# Allegro board F450_V10_220411.brd (continued)
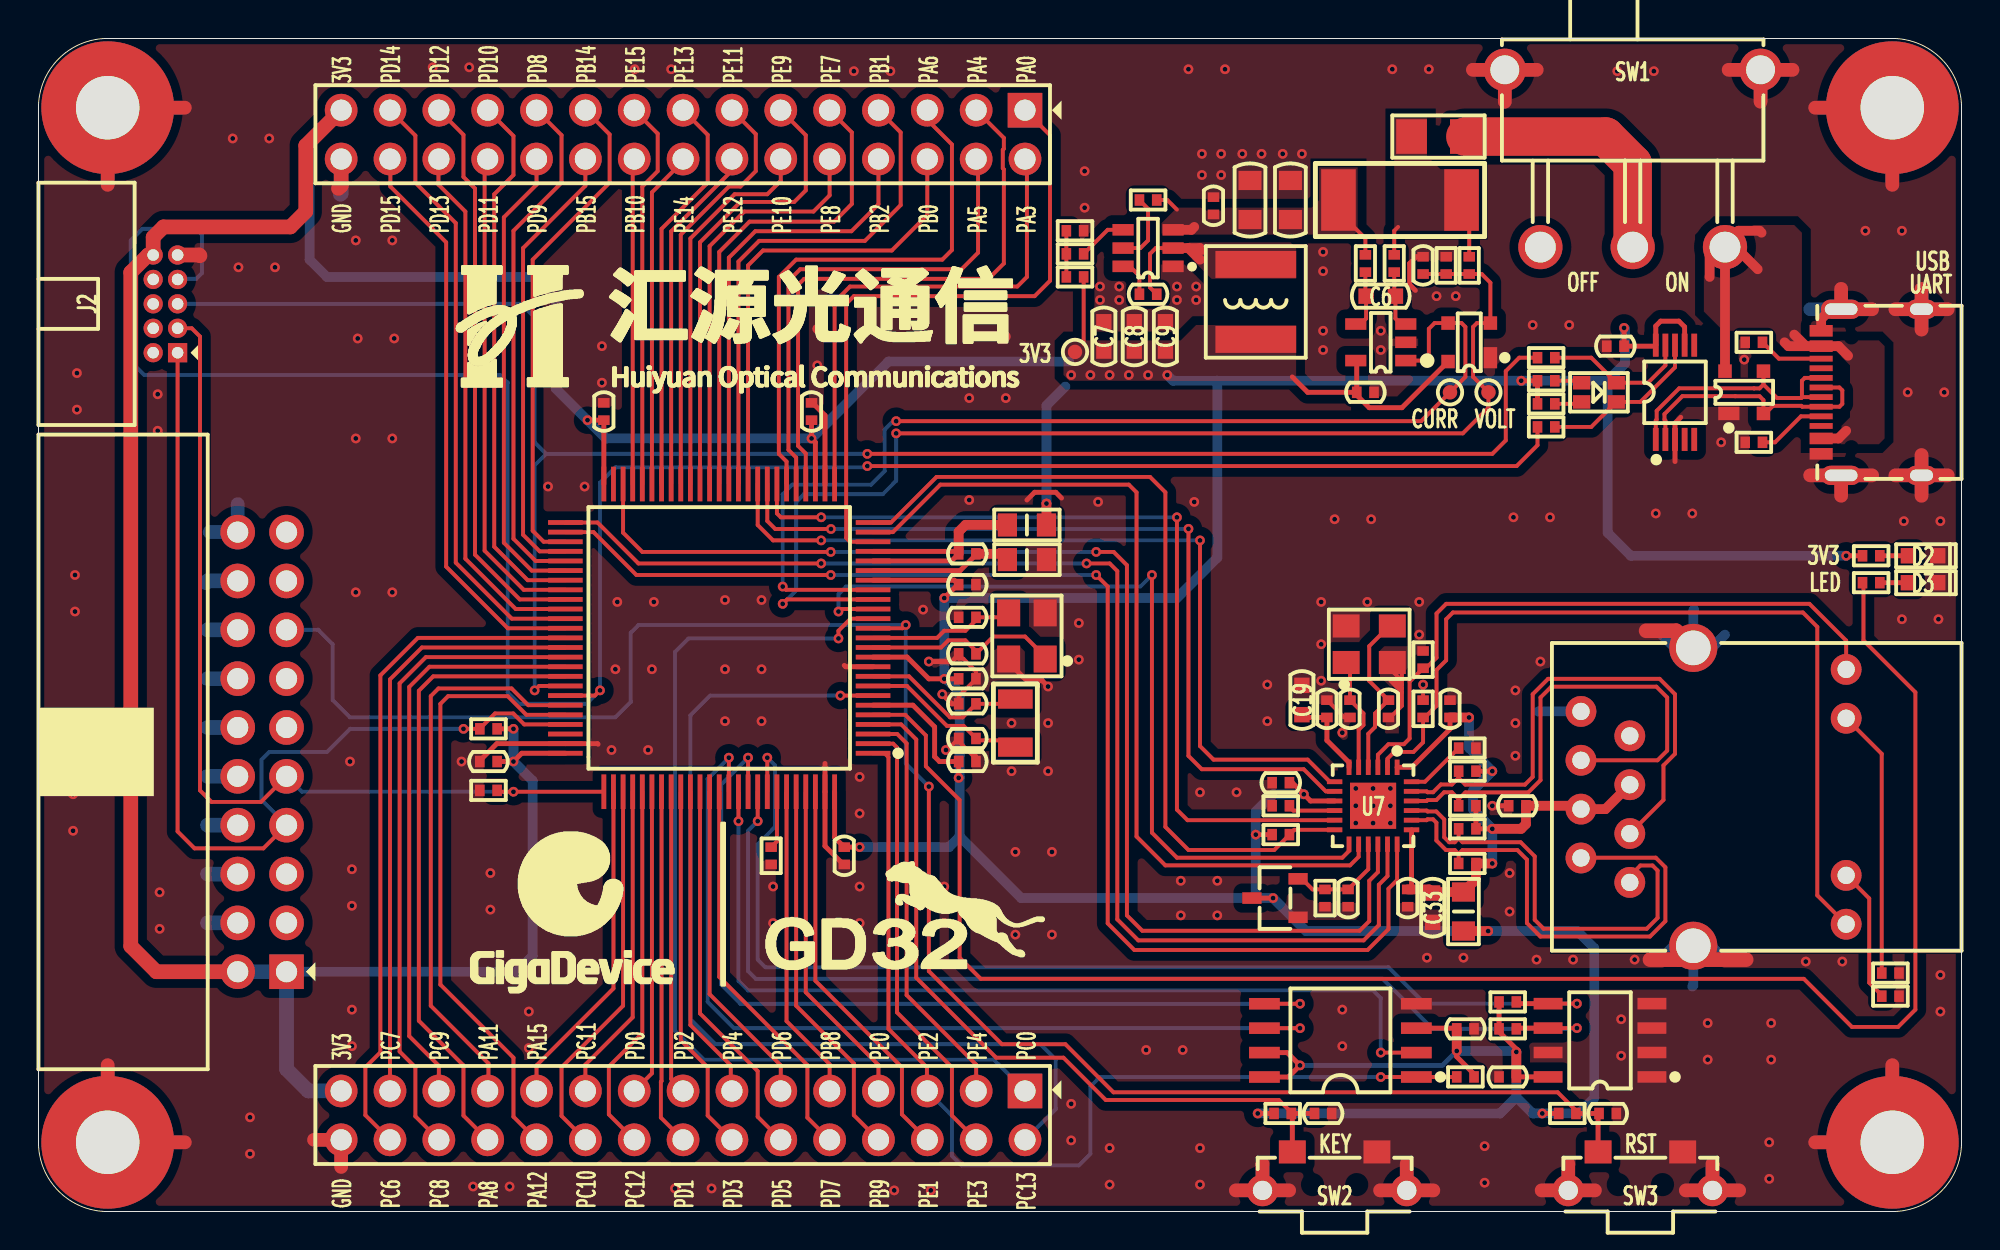
[diagram p0: board, top side]
## Routing (per net, layer and track width the routed paths; a pad name or vN(x,y) marks a point on that pad's centre or on a via; arc(x,y) is an arc through that point)
GND: length 248.9
  TOP w0.203: 70.9,27.4 70.9,27.2 ; 70.9,27.4 70.7,27.6 ; 70.9,27.4 70.9,27.6 ; 70.9,27.2 70.5,27.6 ; 70.9,27.2 70.9,27 ; 70.9,27 70.9,26.3 70.29,25.69 C23.1 ; 70.9,27 70.3,27.6 ; C20.1 47.85,26.79 48.75,27.69 C18.2 48.75,28.09 48.09,28.75 47.85,28.75 47.85,28.95 ; 70.9,27.6 70.4,28.1 X2.2 70.9,28.05 70.9,27.6 ; C21.1 67.01,26.59 67.91,25.69 C22.1 ; C27.2 48.75,23.69 48.61,23.69 47.85,24.45 C25.1 47.25,24 v1(47.19,24) ; R19.1 v1(72,27.4)
  TOP w0.254: U6.10 41.97,28.33 41.9,28.4 ; 29.1,24.3 29.07,24.33 U6.74 23.83,24.33 22.95,23.45 C26.2 ; 53.2,37.1 52.9,37.4 51.8,37.4 51.4,37 ; 40.9,23.3 U6.99 40.9,19 41.85,18.05 C30.2 ; v1(47,26.9) 47.5,26.4 C20.1 ; C4.2 71.65,49.65 71.3,49.3 71.3,48.2 71.6,47.9 ; C29.2 v1(75.6,21.1) ; C13.2 40.25,42.05 40.9,41.4 U6.27 ; v1(52.5,27.3) 52.2,27.6 51.4,27.6 50.45,28.55 X1.4 ; 85.4,41.3 85.1,41 U4.3 85.1,39 ; C17.1 47.85,28.95 47.5,28.6 v1(46.3,28.6)
  TOP w0.508: USB1.14 93.21,46.92 92.7,46.41 USB1.12
  TOP w0.711: 15.74,2.32 J5.30 14.33,3.73 ; 96.4,7.61 MH4.1 92.39,3.6 ; 92.39,57.4 MH2.1 96.4,53.39 ; SW1.5 91.21,59.37 ; SW1.5 87.89,59.37 ; SW1.5 89.55,57.71 ; 74.59,59.37 SW1.1 ; SW1.1 77.91,59.37 ; SW1.1 76.25,57.71 ; SW3.1 87.05,2.48 ; SW3.1 88.43,1.1 ; SW3.1 85.67,1.1 ; 96.56,46.92 USB1.16 ; USB1.16 99.28,46.92 ; USB1.16 97.92,45.86 ; USB1.16 97.92,47.98 ; 69.77,1.1 SW2.1 ; SW2.1 72.53,1.1 ; SW2.1 71.15,2.48 ; 3.6,53.39 MH1.1 7.61,57.4 ; USB1.15 97.92,39.34 ; USB1.15 99.28,38.28 ; USB1.15 96.56,38.28 ; USB1.15 97.92,37.22 ; SW3.4 80.93,1.1 ; SW3.4 78.17,1.1 ; SW3.4 79.55,2.48 ; USB1.13 95.35,38.28 ; USB1.13 92.13,38.28 ; USB1.13 93.74,37.22 ; 62.27,1.1 SW2.4 ; SW2.4 65.03,1.1 ; SW2.4 63.65,2.48 ; 3.6,7.61 MH3.1 7.61,3.6 ; 95.35,46.92 USB1.14 93.74,47.98
  TOP w0.762: 15.6,53.2 15.74,53.34 J1.30 ; 83.6,30.2 85.16,30.2 J4.14 ; 88.8,13.1 86.77,13.1 J4.13 85.33,13.1 83.8,13.1 ; 8.4,49.7 8.36,49.74 7.24,49.74
  BOTTOM w0.508: 84.3,13.1 85.02,13.82 J4.13 ; 84.3,30.1 85.09,29.31 J4.14 ; J4.14 87.01,29.31 87.7,30 ; J4.14 86.05,31.25 86.1,31.3 ; J4.13 86.05,11.75 86,11.7 ; J4.13 86.98,13.82 87.7,13.1 ; 78,26 78,26 J4.8
  BOTTOM w0.711: SW3.1 88.43,1.1 ; SW3.1 85.67,1.1 ; SW3.1 87.05,2.48 ; SW2.4 63.65,2.48 ; SW2.4 65.03,1.1 ; SW2.4 62.27,1.1 ; USB1.15 99.28,38.28 ; USB1.15 97.92,39.34 ; USB1.15 97.92,37.22 ; USB1.15 96.56,38.28 ; 7.61,57.4 MH1.1 3.6,53.39 ; 92.13,38.28 USB1.13 ; USB1.13 95.35,38.28 ; USB1.13 93.74,37.22 ; SW2.1 72.53,1.1 ; SW2.1 71.15,2.48 ; SW2.1 69.77,1.1 ; SW1.5 91.21,59.37 ; SW1.5 89.55,57.71 ; SW1.5 87.89,59.37 ; USB1.14 95.35,46.92 ; USB1.14 92.13,46.92 ; USB1.14 93.74,47.98 ; 96.4,7.61 MH4.1 92.39,3.6 ; 14.33,3.73 J5.30 15.74,2.32 ; SW1.1 77.91,59.37 ; SW1.1 76.25,57.71 ; SW1.1 74.59,59.37 ; 7.61,3.6 MH3.1 3.6,7.61 ; 78.17,1.1 SW3.4 ; SW3.4 80.93,1.1 ; SW3.4 79.55,2.48 ; 96.4,53.39 MH2.1 92.39,57.4 ; 8.9,35.33 J3.20 10.36,36.79 ; 97.92,45.86 USB1.16 ; USB1.16 97.92,47.98 ; USB1.16 99.28,46.92 ; USB1.16 96.56,46.92
  BOTTOM w0.762: 15.7,52.9 15.74,52.94 J1.30 ; J3.10 8.79,22.63 ; J3.12 8.79,25.17 ; 8.7,32.7 8.79,32.79 J3.18 ; J3.6 8.79,17.55 ; J3.4 8.79,15.01 ; J3.16 8.79,30.25 ; J3.8 8.79,20.09 ; J3.14 8.79,27.71
  vias: v1(1.8,21.7) v1(1.8,19.8) v1(1.9,33.1) v1(1.9,31.2) v1(2,43.6) v1(2,41.7) v1(6.2,42.5) v1(6.2,40.6) v1(6.3,16.6) v1(6.3,14.7) v1(10.1,55.8) v1(10.4,49.1) v1(11,4.9) v1(11,3) v1(12,55.8) v1(12.3,49.1) v1(16.2,23.4) v1(16.3,17.8) v1(16.3,15.9) v1(16.3,10.5) v1(16.3,8.6) v1(16.5,50.5) v1(16.5,40.2) v1(16.5,32.2) v1(16.6,45.4) v1(18.4,50.5) v1(18.4,40.2) v1(18.4,32.2) v1(18.5,45.4) v1(20.5,59.5) v1(22,23.4) v1(22.4,59.5) v1(22.6,1.3) v1(23.5,17.6) v1(23.5,15.7) v1(24.5,1.3) v1(25.5,10.4) v1(25.5,8.5) v1(26.5,37.7) v1(27.8,17.6) v1(27.8,15.7) v1(28.4,37.7) v1(29.3,45) v1(29.3,43.1) v1(29.8,24) v1(30,28.2) v1(30.1,31.7) v1(31,59.4) v1(31.7,24) v1(31.9,28.2) v1(32,31.7) v1(32.9,59.4) v1(33.1,1.2) v1(35,1.2) v1(35.7,31.8) v1(35.7,28.2) v1(35.7,25.5) v1(37.6,31.8) v1(37.6,28.2) v1(37.6,25.5) v1(38.2,16.9) v1(38.2,15) v1(40.5,45.9) v1(40.5,44) v1(42.4,59.3) v1(42.7,22.6) v1(42.7,20.7) v1(42.7,16.9) v1(42.7,15) v1(44.3,59.3) v1(44.5,1.1) v1(46,31.3) v1(46.4,1.1) v1(47.1,16.9) v1(47.1,15) v1(48.4,45.5) v1(48.4,42.3) v1(48.4,37) v1(50.3,45.5) v1(50.3,42.3) v1(50.6,25.4) v1(50.6,22.9) v1(50.8,18.7) v1(50.8,14.4) v1(52.5,25.4) v1(52.5,22.9) v1(52.7,18.7) v1(52.7,14.4) v1(53.7,5.6) v1(53.7,3.7) v1(54.1,30.6) v1(54.1,28.7) v1(54.4,54.1) v1(54.4,52.2) v1(55.1,36.9) v1(55.2,48.1) v1(55.2,47.4) v1(55.7,3.3) v1(55.7,1.4) v1(56.2,48.1) v1(56.2,47.4) v1(57.6,8.4) v1(59.2,48.1) v1(59.2,47.4) v1(59.4,17.2) v1(59.4,15.4) v1(59.5,8.4) v1(59.8,59.4) v1(60.1,36.9) v1(60.2,48.1) v1(60.2,47.4) v1(60.4,21.8) v1(60.4,3.3) v1(60.4,1.4) v1(60.5,55) v1(60.5,53.9) v1(61.3,17.2) v1(61.3,15.4) v1(61.5,55) v1(61.5,53.9) v1(61.7,59.4) v1(62.3,21.8) v1(62.6,55) v1(63.6,55) v1(63.9,27.4) v1(63.9,25.5) v1(64.7,55) v1(65.7,55) v1(66.7,31.7) v1(66.7,29.5) v1(66.7,27.6) v1(66.8,49.9) v1(66.8,48.9) v1(66.8,45.8) v1(66.8,44.8) v1(67.4,36) v1(67.8,24.9) v1(67.8,10.5) v1(67.8,8.6) v1(68.5,22) v1(68.5,21.1) v1(68.5,20.2) v1(69.1,31.7) v1(69.3,36) v1(69.4,22) v1(69.4,21.1) v1(69.4,20.2) v1(69.8,45.8) v1(69.8,44.8) v1(70.3,22) v1(70.3,21.1) v1(70.3,20.2) v1(70.4,59.4) v1(71.8,31.7) v1(71.8,30) v1(72.2,13.2) v1(72.3,59.4) v1(72.7,47.6) v1(73.7,47.6) v1(74.1,13.2) v1(75.2,3.4) v1(75.2,1.5) v1(76.5,17.6) v1(76.5,15.6) v1(76.7,36.1) v1(76.8,27.1) v1(76.8,25.4) v1(76.8,23.7) v1(77.7,46.1) v1(77.9,13.1) v1(78.1,28.6) v1(78.6,36.1) v1(79.6,46.1) v1(79.8,13.1) v1(82.1,59.3) v1(82.3,10) v1(82.3,8.1) v1(83,13.1) v1(84,59.3) v1(84.1,36.3) v1(86,36.3) v1(86.8,9.8) v1(86.8,7.9) v1(87.5,40) v1(88.7,44.3) v1(90,3.6) v1(90,1.7) v1(90.1,9.8) v1(90.1,7.9) v1(91.9,13) v1(93.8,13) v1(95,51) v1(96.9,51) v1(96.9,30.8) v1(97,35.9) v1(97.2,42.6) v1(98.8,30.8) v1(98.9,35.9) v1(98.9,12.3) v1(98.9,10.4) v1(99.1,42.6)
VCC_3.3V: length 411.8
  TOP w0.203: R9.1 54.35,45.1
  TOP w0.254: U6.11 45.17,28.83 46.3,27.7 v1(47.1,27.7) C18.1 ; R16.1 v1(94,34.1) ; C28.1 65.2,22.3 v1(65.8,21.7) 66.15,21.35 U7.9 ; R36.1 v1(63.4,5.1) ; U2.5 68.55,44.2 C11.2 ; C11.2 68.55,42.45 69.2,41.8 70.9,41.8 U3.4 ; C11.2 66,42.6 65.2,43.4 ; U9.3 73.72,9.54 C34.2 ; U6.50 C12.1 v1(28.55,41.15) ; C26.1 v1(24.7,23.4) 25.13,23.83 U6.75 ; R35.1 74.65,7.15 73.75,8.05 v1(73.75,8.35) ; U9.8 65,7 v1(65.6,7.6) 64.94,8.27 U9.7 ; U6.28 40.4,40 v1(40.2,40.2) C13.1 ; R27.2 v1(63.3,19.6) ; v1(82.45,45.95) C10.2 84.05,45 U4.10 84.1,46.05 84.35,46.3 85.3,46.3 85.6,46 U4.7 ; U8.3 v1(64.2,16.3) ; U6.6 45.47,26.33 46.6,25.2 46.6,23.65 46.85,23.4 C27.1 v1(47.85,22.55) ; R37.1 v1(78.2,5.1) ; v1(47.1,31.9) 47.8,32.6 C15.1 47.62,32.83 U6.19 ; v1(76.85,8.3) 76.85,8.45 75.95,9.35 R34.2 R33.2 ; U6.100 41.4,19.45 C30.1 v1(42.7,18.95) ; v1(77.1,43.2) R12.2 R13.2 ; R20.1 v1(24.7,25.1) ; U10.8 C35.2
  TOP w0.508: C35.2 v1(76.85,8.3) ; L4.1 v1(75.38,14.58) ; L2.1 v1(52.42,36.82) ; C34.2 v1(73.75,8.35)
  TOP w0.762: J1.29 13.9,55.43 13.9,52 13.1,51.2 6.5,51.2 5.96,50.66 J2.10 5.7,49.74 4.8,48.84 4.8,13.8 6.13,12.47 J3.2
  BOTTOM w0.254: v1(65.6,7.6) 73,7.6 v1(73.75,8.35)
  BOTTOM w0.508: v1(42.7,18.95) 47.35,18.95 47.9,19.5 ; v1(65.8,21.7) 64.2,21.7 63.3,20.8 v1(63.3,19.6) 63.3,16.3 ; 63.3,16.3 51.1,16.3 47.9,19.5 ; 63.3,16.3 v1(64.2,16.3) 65.92,14.58 v1(75.38,14.58) 80.02,14.58 80.9,13.7 80.9,5.9 80.1,5.1 v1(78.2,5.1) 77.7,5.1 76.85,5.95 ; 76.85,5.95 v1(76.85,8.3) 76.8,8.35 v1(73.75,8.35) ; 76.85,5.95 76,5.1 v1(63.4,5.1) ; 61.3,43.2 61.3,34 59.2,31.9 v1(47.1,31.9) v1(47.1,27.7) 47.2,27.7 47.29,27.61 47.29,27.61 47.71,27.19 47.71,27.19 47.9,27 47.9,24.3 47.9,24.29 47.9,23.71 47.9,23.7 47.9,22.6 v1(47.85,22.55) 47.9,22.5 47.9,19.5 ; 61.3,43.2 59,43.2 v1(58.7,43.5) ; 61.3,43.2 v1(77.1,43.2) 81.6,43.2 ; J3.1 24.87,12.47 25.7,13.3 25.7,22.4 v1(24.7,23.4) v1(24.7,25.1) ; J1.29 14.1,55.63 14.1,49.5 15,48.6 25.8,48.6 26.9,47.5 26.9,42.8 v1(28.55,41.15) 29.5,40.2 v1(40.2,40.2) 44.2,44.2 53.6,44.2 ; v1(82.45,45.95) 82.5,45.9 82.5,44.1 81.6,43.2 ; 81.6,43.2 81.6,35.3 82.8,34.1 v1(94,34.1) ; 53.4,42.9 52.42,41.92 v1(52.42,36.82)
  BOTTOM w0.762: J5.29 14.03,6.27 12.9,7.4 J3.1 J3.2
  vias: v1(53.7,43.5) v1(54.7,43.5) v1(55.7,43.5) v1(56.7,43.5) v1(57.7,43.5)
VCC_3.3V_PHY: length 34.6
  TOP w0.254: U7.1 71.41,23.1 73.4,25.09 C24.1 ; C32.1 71.4,16.95 U7.19 ; v1(75.6,19.9) R26.1 R25.1 ; R22.1 v1(75.6,22.9)
  TOP w0.508: J4.5 81.48,20.92 J4.4 80.03,21.1 C29.1 77.35,20.15 77.1,19.9 v1(75.6,19.9) ; v1(75.6,18.1) R29.1 74.75,17.27 L4.2 72.55,16.62 C33.2 72.31,16.75 C32.1 ; C24.1 v1(74.39,25.69)
  BOTTOM w0.508: v1(74.39,25.69) 74.39,24.11 v1(75.6,22.9) 74.6,21.9 74.6,20.9 v1(75.6,19.9) v1(75.6,18.1)
VCC_3.3V_VDDA: length 12.9
  TOP w0.254: U6.21 47.48,33.83 C14.1 47.72,34.33 U6.22
  TOP w0.508: L2.2 50.37,35.71 48.21,35.71 47.85,35.35 C14.1
VCC_5V: length 5.8
  TOP w0.203: R2.1 67.6,52 69,50.6 R5.2 ; 59.2,52.1 58.7,52.6 R1.1
  TOP w0.508: 60.1,51.2 59.95,51.05 U1.3
VCC_5V_USB: length 19
  TOP w0.508: 89.4,49 88.25,50.15 SW1.4 ; SW1.4 U5.4 ; SW1.4 87.7,50.3 88.4,51 89.5,51 89.6,50.9 ; SW1.4 87.35,50.15 86.9,49.7 86.9,48.6 ; 94,40.6 93.6,40.2 USB1.2 ; 91.9,45 91.3,45.6 ; 91.9,45 91,45 90.8,45.2 ; 91.9,45 USB1.11 93.6,45 94.1,44.5
VSSA: length 7.5
  TOP w0.254: C14.2 48.75,34.15 47.92,33.33 U6.20
  TOP w0.508: C14.2 50.08,34.2 L3.2
BOOT0: length 3
  TOP w0.203: U6.94 38.4,19.25 R28.2
CH340E_RXD: length 7.7
  TOP w0.203: R11.2 80.74,44.4 D1.3 83.7,43.1 84.6,44 U4.9
CH340E_TXD: length 8.7
  TOP w0.203: U4.8 85.1,43.9 83.3,42.1 D1.1 80.74,40.8 R14.2
ETH_LED1: length 33.6
  TOP w0.203: J4.12 94,29.69 92.09,31.6 73.2,31.6 72.7,31.1 72.7,28.8 72.15,28.25 R18.2 71.3,27.55 71.3,24.6 71,24.3 70.2,24.3 69.65,23.75 U7.3
ETH_LED2: length 45.4
  TOP w0.203: J4.9 92.5,16.44 92.5,30.4 91.75,31.15 73.55,31.15 73.2,30.8 73.2,28.66 72.7,28.16 72.7,26.3 72.09,25.69 R19.2 72,24.4 71.5,23.9 70.5,23.9 70.15,23.55 U7.2
ETH_RXN: length 26.6
  TOP w0.203: R25.2 73.85,21.44 ; 73.85,21.44 73.85,21.45 73.5,21.8 73.09,21.8 72.69,21.4 72.23,21.4 72.19,21.35 U7.22 ; 73.85,21.44 74.2,21.79 77.47,21.79 78.11,22.43 78.11,26.73 78.67,27.29 84.13,27.29 84.69,26.73 84.69,23.97 84.19,23.46 J4.6
ETH_RXP: length 27.9
  TOP w0.203: U7.23 72.19,21.85 72.23,21.8 72.52,21.8 72.92,22.21 73.5,22.21 73.85,22.56 ; R22.2 73.85,22.56 ; 73.85,22.56 73.85,22.55 74.2,22.2 77.3,22.2 77.7,22.6 77.7,26.9 78.5,27.7 84.3,27.7 85.1,26.9 85.1,23.8 84.5,23.2 84.5,21.4 J4.3
ETH_TXN: length 26.6
  TOP w0.203: 73.85,18.59 73.65,18.8 73.19,18.8 72.69,19.29 72.69,20.22 72.52,20.4 72.23,20.4 72.19,20.35 U7.20 ; 73.85,18.59 R29.2 ; 73.85,18.59 74.05,18.8 76.9,18.8 77.4,18.3 77.4,15 78.1,14.3 83.8,14.3 84.6,15.1 84.6,17.9 84.1,18.4 80.23,18.4 J4.2
ETH_TXP: length 23.3
  TOP w0.203: J4.1 82.75,17.44 83.3,17.99 83.93,17.99 84.19,17.73 84.19,15.27 83.63,14.71 78.27,14.71 77.81,15.17 77.81,18.47 77.07,19.2 74.05,19.2 73.85,19.41 ; U7.21 72.19,20.85 72.23,20.8 72.69,20.8 73.1,20.39 73.1,19.46 73.36,19.2 73.65,19.2 73.85,19.41 ; R26.2 73.85,19.41
LAN8742_RST: length 5.6
  TOP w0.203: U8.2 65.7,17.3 66.25,16.75 R30.2 C31.1 69.15,17.8 U7.15
NRST: length 100.2
  TOP w0.203: v1(46.3,22.1) 46.3,12.5 50.1,8.7 53.4,8.7 55.9,6.2 79,6.2 79.95,5.25 R37.2 ; U6.14 44.93,30.33 v1(45.1,30.5)
  TOP w0.254: R37.2 C37.1 81.1,5.05 SW3.3
  BOTTOM w0.203: J3.15 14.55,30.25 15.3,29.5 15.3,26.6 16.2,25.7 30,25.7 30.8,26.5 30.8,30.1 31.2,30.5 v1(45.1,30.5) 45.1,23.3 v1(46.3,22.1)
OSC32_IN: length 8.7
  TOP w0.203: U6.8 45.16,27.33 47.24,25.25 48.11,25.25 48.75,24.61 C25.2 48.85,24.5 50.45,24.5 X3.2
OSC32_OUT: length 8.7
  TOP w0.203: U6.9 45.27,27.83 47.4,25.7 48.06,25.7 48.75,26.39 C20.2 50.55,26.4 X3.1
OSC_IN: length 10.4
  TOP w0.203: X1.1 52.35,28.85 51.3,29.9 49.65,29.9 C17.2 48.75,29.15 48.2,29.7 47.31,29.7 46.94,29.33 U6.12
OSC_OUT: length 7.7
  TOP w0.203: X1.3 50.22,30.9 C16.2 48.75,30.75 48.2,30.2 47.1,30.2 46.73,29.83 U6.13
PA0: length 34.2
  TOP w0.203: J1.1 52.6,55.97 52.6,48.4 51.8,47.6 42.4,47.6 42,47.2 42,35.03 42.2,34.83 U6.23
PA1/ETH_REF_CLK: length 45.8
  TOP w0.203: U7.14 68.65,18.45 68.2,18 58.6,18 57.1,19.5 57.1,37.4 56.7,37.8 46.9,37.8 44.43,35.33 U6.24
PA2/ETH_MDIO: length 43.7
  TOP w0.203: U6.25 44.33,35.83 46.7,38.2 57.8,38.2 58.6,37.4 58.6,20 59.8,18.8 64.26,18.8 65.05,19.59 R27.1 65.3,19.85 U7.12
PA3: length 26.2
  TOP w0.203: J1.2 51.4,54.63 51.4,48.6 50.9,48.1 42.2,48.1 41.4,47.3 U6.26
PA4: length 30.3
  TOP w0.203: J1.3 50.2,55.83 50.2,55.26 50.15,55.21 50.15,54.25 50.2,54.2 50.2,49.3 49.4,48.5 39.81,48.5 39.5,48.19 39.5,39.81 39.9,39.41 U6.29
PA5: length 26.1
  TOP w0.203: U6.30 39.4,39.21 39,39.61 39,48.39 39.61,49 48,49 48.86,49.86 48.86,54.63 J1.4
PA6: length 28.3
  TOP w0.203: U6.31 38.9,39 38.5,39.4 38.5,48.6 39.4,49.5 47,49.5 47.5,50 47.5,55.49 46.22,56.77 J1.5
PA7/ETH_CRS_DV: length 46
  TOP w0.203: U6.32 38.4,36.3 38.6,36.1 40.7,36.1 v1(40.7,36.1) ; U7.11 59.75,20.35 59.2,20.9 v1(59.2,36.1)
  BOTTOM w0.203: v1(40.7,36.1) 59.1,36.1 59.1,36.1 v1(59.2,36.1)
PA8: length 32.8
  TOP w0.203: U6.67 20.53,27.83 19.78,27.08 19.78,9.92 22.1,7.6 22.1,4.99 J5.24
PA9/USART0_TX: length 96.2
  TOP w0.203: R11.1 77,44.4 76.3,43.7 76.3,40.1 75.6,39.4 v1(43.1,39.4) ; U6.68 26.03,27.33 v1(25.8,27.1)
  BOTTOM w0.203: v1(43.1,39.4) 26.4,39.4 ; 26.4,39.4 25.8,40 25.8,46.5 25.1,47.2 7.24,47.2 ; 26.4,39.4 25.8,38.8 v1(25.8,27.1)
PA10/USART0_RX: length 118.5
  TOP w0.203: R14.1 77.95,39.85 76.86,38.77 v1(43.1,38.77) ; v1(29.2,27.1) 28.93,26.83 U6.69
  BOTTOM w0.203: 7.24,48.47 7.26,48.5 8.2,48.5 8.5,48.8 8.5,50.8 8.2,51.1 5.4,51.1 4.8,50.5 4.8,44.2 5.5,43.5 24,43.5 24.4,43.1 24.4,27 25,26.4 28.5,26.4 v1(29.2,27.1) 29.2,37.9 30,38.7 43.03,38.7 v1(43.1,38.77)
PA11: length 29.3
  TOP w0.203: U6.70 25.47,26.33 24.6,27.2 20.8,27.2 20.4,26.8 20.4,10.7 23.4,7.7 23.4,6.31 J5.23
PA12: length 31.8
  TOP w0.203: U6.71 25.37,25.83 24.4,26.8 21.3,26.8 20.9,26.4 20.9,11.8 24.7,8 24.7,4.93 J5.22
PA15: length 17.2
  TOP w0.203: U6.77 29.9,11.6 25.9,7.6 J5.21
PB0: length 24.7
  TOP w0.203: J1.6 46.22,51.82 44.38,49.98 37.67,49.98 36.9,49.2 U6.35
PB1: length 26.6
  TOP w0.203: U6.36 36.4,49.4 37.48,50.48 42.98,50.48 44.83,52.33 44.83,56.12 J1.7
PB2: length 23.1
  TOP w0.203: U6.37 35.9,49.6 37.27,50.98 42.28,50.98 43.68,52.38 J1.8
PB3/SPI0_SCK: length 48.1
  TOP w0.203: U9.6 v1(65.6,9.54) ; U6.89 v1(35.9,23.6)
  BOTTOM w0.203: v1(35.9,23.6) 34.8,22.5 34.8,10.9 36.16,9.54 v1(65.6,9.54)
PB4/SPI0_MISO: length 48.3
  TOP w0.203: U6.90 v1(36.4,20.3) ; U9.2 v1(69.8,8.27)
  BOTTOM w0.203: v1(36.4,20.3) 36.4,12 36.9,11.5 69.4,11.5 69.8,11.1 v1(69.8,8.27)
PB5/SPI0_MOSI: length 46.5
  TOP w0.203: U9.5 v1(65.6,10.8) ; U6.91 v1(36.9,23.6)
  BOTTOM w0.203: v1(65.6,10.8) 65.59,10.8 36.5,10.8 35.5,11.8 35.5,22.2 v1(36.9,23.6)
PB6/I2C0_SCL: length 57.1
  TOP w0.203: U10.6 v1(80,9.54) ; U6.92 v1(37.4,20.3)
  TOP w0.254: U10.6 76.89,9.54 R34.1
  BOTTOM w0.203: v1(80,9.54) 79.96,9.5 72.5,9.5 69.9,12.1 37.3,12.1 36.9,12.5 36.9,19.8 v1(37.4,20.3)
PB7/I2C0_SDA: length 59.5
  TOP w0.203: U10.5 v1(80,10.81) ; U6.93 v1(37.9,23.6)
  TOP w0.254: U10.5 76.94,10.81 R33.1
  BOTTOM w0.203: v1(80,10.81) 72.09,10.81 70.2,12.7 37.8,12.7 37.4,13.1 37.4,19.1 38.3,20 38.3,23.2 v1(37.9,23.6)
PB8: length 16.5
  TOP w0.203: J5.9 41.14,7.66 38.9,9.9 U6.95
PB9: length 19.9
  TOP w0.203: U6.96 39.4,10.7 42.4,7.7 42.4,5.01 J5.8
PB10: length 16.9
  TOP w0.203: U6.47 30.9,54.65 J1.18
PB11/ETH_TX_EN: length 65
  TOP w0.203: v1(55,34.3) 55.91,34.3 56.6,33.61 56.6,15.4 57.4,14.6 68.7,14.6 69.2,15.1 69.2,17.2 69.65,17.65 U7.16 ; v1(41.2,34.3) 31.4,34.3 30.4,35.3 U6.48
  BOTTOM w0.203: v1(55,34.3) v1(41.2,34.3)
PB12/ETH_TXD0: length 66.6
  TOP w0.203: v1(40.7,33.7) 31.2,33.7 29.07,35.83 U6.51 ; v1(54.5,33.7) 55.7,33.7 56.1,33.3 56.1,15.19 57.19,14.1 68.91,14.1 69.7,14.89 69.7,16.99 70.15,17.44 U7.17
  BOTTOM w0.203: v1(54.5,33.7) v1(40.7,33.7)
PB13/ETH_TXD1: length 67.1
  TOP w0.203: U7.18 70.65,17.24 70.2,16.79 70.2,14.69 69.11,13.6 56.99,13.6 55.6,14.99 55.6,32.5 v1(55,33.1) ; U6.52 28.86,35.33 31.09,33.1 v1(41.2,33.1)
  BOTTOM w0.203: v1(55,33.1) v1(41.2,33.1)
PB14: length 26
  TOP w0.203: J1.19 29.7,56.01 29.7,53.5 25.7,49.5 25.7,35.4 26.27,34.83 U6.53
PB15: length 23.4
  TOP w0.203: U6.54 26.06,34.33 25.2,35.19 25.2,50.1 28.44,53.34 J1.20
PC0: length 50.4
  TOP w0.203: U6.15 42.23,30.83 41.6,30.2 v1(41.6,29.8)
  BOTTOM w0.203: v1(41.6,29.8) 33.8,29.8 33.1,29.1 33.1,9.4 34.6,7.9 49.67,7.9 J5.1
PC1/ETH_MDC: length 44.2
  TOP w0.203: v1(41.6,31.2) 41.73,31.33 U6.16 ; U7.13 68.15,18.75 67.8,18.4 59.2,18.4 57.9,19.7 v1(57.9,33.1)
  BOTTOM w0.203: v1(57.9,33.1) 57.3,32.5 42,32.5 41.6,32.1 v1(41.6,31.2)
PC2/ADC_VOLT: length 61.2
  TOP w0.203: C4.1 R7.2 R8.1 75.05,48.75 75.5,48.3 U3.2 74.8,46.2 74.6,46 74.6,43.4 TP3.1 75.4,41.8 74.06,40.47 v1(44.6,40.47) ; v1(38.7,31.6) 38.93,31.83 U6.17
  BOTTOM w0.203: v1(44.6,40.47) 44.6,38 43.9,37.3 39.8,37.3 39.4,36.9 39.4,32.3 v1(38.7,31.6)
PC3/ADC_CURR: length 56.3
  TOP w0.203: U6.18 38.87,32.33 v1(38.7,32.5) ; U2.1 72.05,44.25 72.3,44.5 72.3,45.9 72.6,46.2 U3.3 74,46.2 74.2,46 74.2,43.4 TP2.1 71.9,41.1 v1(44.6,41.1)
  BOTTOM w0.203: v1(38.7,32.5) 38.7,37.3 39.2,37.8 43.3,37.8 44,38.5 44,40.66 44.44,41.1 v1(44.6,41.1)
PC4/ETH_RXD0: length 44.2
  TOP w0.203: U7.8 66.94,21.85 65.79,23 60.49,23 59.8,23.69 v1(59.8,35.5) ; U6.33 37.9,35.91 38.32,35.49 v1(41.21,35.49)
  BOTTOM w0.203: v1(59.8,35.5) 59.79,35.49 v1(41.21,35.49)
PC5/ETH_RXD1: length 43.9
  TOP w0.203: v1(60.4,34.9) 60.4,24.2 61.1,23.5 66,23.5 67.15,22.35 U7.7 ; U6.34 37.4,35.7 38.2,34.9 v1(40.7,34.9)
  BOTTOM w0.203: v1(40.7,34.9) v1(60.4,34.9)
PC6: length 35.4
  TOP w0.203: J5.28 17,5.01 17,7.5 17.78,8.28 17.78,27.88 19.73,29.83 U6.63
PC7: length 31.2
  TOP w0.203: J5.27 18.28,27.67 19.94,29.33 U6.64
PC8: length 33.8
  TOP w0.203: J5.26 19.6,4.95 19.6,7.5 18.78,8.32 18.78,27.47 20.14,28.83 U6.65
PC9: length 30.2
  TOP w0.203: J5.25 20.82,7.58 19.28,9.12 19.28,27.28 20.33,28.33 U6.66
PC10: length 19.9
  TOP w0.203: J5.20 27.2,4.97 27.2,7.5 30.4,10.7 U6.78
PC11: length 16.6
  TOP w0.203: J5.19 28.44,7.64 30.9,10.1 U6.79
PC12: length 19.4
  TOP w0.203: J5.18 29.66,5.05 29.66,7.54 31.4,9.28 U6.80
PC13: length 50.4
  TOP w0.203: U6.7 v1(41.7,26.83)
  BOTTOM w0.203: v1(41.7,26.83) 34.93,26.83 33.9,25.8 33.9,10 35.2,8.7 52.1,8.7 52.9,7.9 52.9,5.33 J5.2
PD0: length 15.9
  TOP w0.203: U6.81 31.9,7.19 J5.17
PD1: length 18.6
  TOP w0.203: J5.16 32.37,4.88 32.37,6.75 32.4,6.78 U6.82
PD2: length 15.8
  TOP w0.203: U6.83 32.9,6.89 J5.15
PD3: length 19.2
  TOP w0.203: U6.84 33.4,8.9 34.8,7.5 34.8,4.99 J5.14
PD4: length 16.5
  TOP w0.203: U6.85 33.9,9.7 36,7.6 36,6.33 J5.13
PD5: length 19.8
  TOP w0.203: J5.12 37.4,4.93 37.4,7.3 34.4,10.3 U6.86
PD6: length 17.1
  TOP w0.203: U6.87 34.9,11.3 38.6,7.6 J5.11
PD7: length 20.5
  TOP w0.203: J5.10 39.99,4.88 39.99,7.61 35.4,12.2 U6.88
PD8: length 27
  TOP w0.203: J1.21 27.2,55.97 27.2,53.5 24.7,51 24.7,34.99 25.86,33.83 U6.55
PD9: length 24.5
  TOP w0.203: J1.22 25.9,53.4 24.2,51.7 24.2,34.78 25.65,33.33 U6.56
PD10: length 28.1
  TOP w0.203: J1.23 24.7,55.93 24.7,53.9 23.7,52.9 23.7,34.57 25.44,32.83 U6.57
PD11: length 25.5
  TOP w0.203: U6.58 25.23,32.33 23.2,34.36 23.2,54.57 J1.24
PD12: length 29.6
  TOP w0.203: U6.59 25.03,31.83 22.7,34.16 22.7,53.2 22.1,53.8 22.1,55.99 J1.25
PD13: length 27.7
  TOP w0.203: J1.26 20.8,54.71 20.8,53.4 22.2,52 22.2,33.95 24.82,31.33 U6.60
PD14: length 31.9
  TOP w0.203: U6.61 24.61,30.83 21.7,33.74 21.7,51.4 19.6,53.5 19.6,55.95 J1.27
PD15: length 29.9
  TOP w0.203: J1.28 18.3,54.71 18.3,53.3 21.2,50.4 21.2,33.54 24.41,30.33 U6.62
PE0: length 17.1
  TOP w0.203: U6.97 39.9,11.4 43.68,7.62 J5.7
PE1: length 20.5
  TOP w0.203: U6.98 40.4,12 44.9,7.5 44.9,5.05 J5.6
PE2/SPI0_CS: length 53.4
  TOP w0.203: R35.2 73.75,7 U9.1 v1(69.8,7) ; U6.1 44,23.83 44.2,23.63 44.2,9.5 46.2,7.5 46.2,6.29 J5.5
  BOTTOM w0.203: J5.5 47.5,4.99 47.5,2.9 48,2.4 54.1,2.4 54.7,3 54.7,6.5 55.2,7 v1(69.8,7)
PE3: length 23.4
  TOP w0.203: J5.4 47.5,4.99 47.5,7.5 44.65,10.35 44.65,24.13 44.44,24.33 U6.2
PE4: length 21.5
  TOP w0.203: U6.3 44.66,24.83 45.15,24.34 45.15,11.25 48.76,7.64 J5.3
PE5/KEY: length 40.6
  TOP w0.203: R36.2 65.15,5.15 64.5,5.8 55.5,5.8 53.3,8 49.8,8 45.65,12.15 45.65,24.55 44.86,25.33 U6.4
  TOP w0.254: C36.1 R36.2 65.2,5.05 SW2.3
PE6/LED: length 90.4
  TOP w0.203: R17.1 94.9,32.65 94.9,29.7 97.6,27 97.6,10.5 96.7,9.6 94.3,9.6 91.8,12.1 49,12.1 47.9,13.2 47.9,21.4 46.15,23.15 46.15,24.75 45.07,25.83 U6.5
PE7: length 25.4
  TOP w0.203: U6.38 35.4,49.9 36.98,51.48 41.38,51.48 42.29,52.39 42.29,56.12 J1.9
PE8: length 21.6
  TOP w0.203: U6.39 34.9,50.2 36.7,52 40.3,52 41.14,52.84 J1.10
PE9: length 23.9
  TOP w0.203: J1.11 39.9,55.97 39.9,53.1 39.3,52.5 36.5,52.5 34.4,50.4 U6.40
PE10: length 19.8
  TOP w0.203: J1.12 38.6,53.6 37.9,52.9 36.2,52.9 33.9,50.6 U6.41
PE11: length 21.9
  TOP w0.203: J1.13 37.3,56.03 37.3,54.1 36.5,53.3 35.9,53.3 33.4,50.8 U6.42
PE12: length 18.2
  TOP w0.203: U6.43 32.9,50.97 36.06,54.13 J1.14
PE13: length 21
  TOP w0.203: U6.44 32.4,51.1 34.8,53.5 34.8,55.99 J1.15
PE14: length 17.6
  TOP w0.203: J1.16 33.52,54.62 31.9,53 U6.45
PE15: length 20.3
  TOP w0.203: J1.17 32.2,56.05 32.2,54.1 31.4,53.3 U6.46
SWCLK: length 48
  TOP w0.203: 7.24,45.93 7.97,45.93 8.4,45.5 8.4,21.9 9,21.3 11.57,21.3 J3.9 ; R23.2 23.92,21.83 v1(24.7,21.83) U6.76
  BOTTOM w0.203: v1(24.7,21.83) 13.7,21.83 J3.9
SWDIO: length 52.4
  TOP w0.203: J3.7 11.7,18.89 8.11,18.89 7.24,19.77 7.24,44.66 ; v1(22.1,25.1) R20.2 22.95,25.11 23.74,25.9 24.69,25.9 25.26,25.33 U6.72
  BOTTOM w0.203: J3.7 12.9,20.1 11.6,21.4 11.6,23.5 12,23.9 15,23.9 16.2,25.1 v1(22.1,25.1)
USB_DM: length 13.9
  TOP w0.203: USB1.7 93.65,42.85 93.8,42.7 93.8,42 93.65,41.85 USB1.5 91.72,41.85 91.67,41.9 90.2,41.9 89.8,41.5 U5.2 89.7,42.19 89.5,42.4 88.23,42.4 88.23,42.4 85.48,42.4 84.55,41.47 84.55,41.18 84.6,41.13 U4.2
USB_DP: length 13.6
  TOP w0.203: 91.72,42.35 91.7,42.37 91.7,43.2 91.85,43.35 USB1.8 ; 91.72,42.35 USB1.6 ; 91.72,42.35 91.67,42.3 90.4,42.3 89.7,43.01 ; 89.7,43.01 89.5,42.8 89.21,42.8 89.21,42.81 85.32,42.81 84.15,41.64 84.15,41.18 84.1,41.13 U4.1 ; 89.7,43.01 U5.3
XTAL1: length 5.9
  TOP w0.203: X2.1 68.2,28.35 C22.2 68.21,26.59 68.9,25.9 68.9,25.3 68.65,25.05 U7.5
XTAL2: length 8.8
  TOP w0.203: X2.3 70.25,30.45 69.2,29.4 69.2,27.59 C23.2 70.19,26.59 69.5,25.9 69.5,25.19 69.15,24.84 U7.4
N17256486: length 1.5
  TOP w0.254: D2.1 R16.2
N17256513: length 3.4
  TOP w0.203: USB1.10 90.5,44.35 R10.1
N17256515: length 3.6
  TOP w0.203: USB1.4 91.65,41.35 90.3,40 R15.2
N17279585: length 1.4
  TOP w0.203: D1.2 80.14,42 R13.1
N17279608: length 1.4
  TOP w0.203: D1.4 80.14,43.2 R12.1
N17297093: length 3.2
  TOP w0.203: U7.24 72.1,22.35 R21.2
N17297258: length 4.4
  TOP w0.254: C19.2 65.85,25.69 C21.2 67,24.5 68.15,23.35 U7.6
N17297314: length 2.5
  TOP w0.203: R24.1 65.05,21.05 65.25,20.85 U7.10
N17301183: length 3.1
  TOP w0.203: U2.3 70.85,46.15 70.56,46.44 C6.1 70.5,47.66 R6.1
N17301187: length 3.1
  TOP w0.203: R5.1 69,47.64 C6.2 69.04,46.44 68.75,46.15 U2.4
N17301241: length 13.6
  TOP w2: F1.1 81.49,55.9 82.9,54.49 SW1.3
N17301284: length 4.6
  TOP w0.203: R6.2 70.5,51 70.7,51.2 ; R8.2 74.4,52.2 R2.2
N17302949: length 7
  TOP w0.203: J4.10 95.2,16.28 95.2,11.9 95.85,11.25 R32.2
N17303000: length 14
  TOP w0.203: R31.2 95.85,23.8 J4.11
N17310302: length 6
  TOP w0.203: C5.2 57.8,48.05 57.8,49.8 58.1,50.1 U1.2
  TOP w0.508: 60.5,50 60.4,50.1 59.8,50.1 ; 60.4,49.5 59.8,50.1 ; 59.8,50.1 U1.2
N17310360: length 2
  TOP w0.203: U1.6 56.75,49.15 57.25,48.65 C5.1
N17310430: length 3.8
  TOP w0.203: R1.2 57.25,52.59 57.7,52.14 57.7,50.5 57.3,50.1 U1.5
N17310442: length 2.4
  TOP w0.203: R3.1 R4.2 R9.2
N17310458: length 2.6
  TOP w0.203: U1.4 55.6,51.05 R4.1
N17339844: length 1.5
  TOP w0.254: D3.1 R17.2

## Copper pours and planes (outline as drawn; the poured copper is in the pictures)
GND on TOP: 0.3,57.4 1.27,59.73 3.6,60.7 96.4,60.7 98.73,59.73 99.7,57.4 99.7,29.7 78.6,29.7 78.6,13.4 99.7,13.4 99.7,3.6 98.73,1.27 96.4,0.3 3.6,0.3 1.27,1.27 0.3,3.6 ; 37 cut-outs
GND on BOTTOM: 0.3,57.4 1.27,59.73 3.6,60.7 96.4,60.7 98.73,59.73 99.7,57.4 99.7,29.7 78.6,29.7 78.6,13.4 99.7,13.4 99.7,3.6 98.73,1.27 96.4,0.3 3.6,0.3 1.27,1.27 0.3,3.6 ; 42 cut-outs
VCC_3.3V on TOP: 53.6,43.2 53.3,43.5 53.3,45.1 53.5,45.3 59.4,45.3 60.2,46.1 65.4,46.1 65.4,43.4 65.2,43.2
VCC_3.3V on BOTTOM: 53.4,44.5 59.1,44.5 59.4,44.2 59.4,43 59.1,42.7 53.5,42.7 53.2,43 53.2,44.3
VCC_5V on TOP: 58.4,50.8 68.4,50.8 68.6,51 68.6,54.3 66.6,54.3 66.6,52.6 66.2,52.2 59.2,52.2 58.4,51.4
VCC_5V_USB on TOP: 92.1,39.9 95.7,39.9 96,40.2 96,45 95.7,45.3 91.8,45.3 91.7,45.4 91.7,50.9 91.3,51.3 87.3,51.3 86.6,50.6 86.6,46.8 87.6,45.8 89.6,45.8 90.7,44.7 93.5,44.7 94.2,44 94.2,41.3 93.4,40.5 92.1,40.5
N17301284 on TOP: 70.5,56.9 70.5,51.1 70.6,51 74.9,51 74.9,54.2 72.9,54.2 72.2,54.9 72.2,56.9
N17310302 on TOP: 58.4,50.4 65.1,50.4 65.4,50.1 65.4,48.5 61,48.5 59.8,49.7 58.4,49.7

## Text on the board
Ref Des/Silkscreen Bottom: XXXLZJXXX | F450_V10_220411
Ref Des/Silkscreen Top: 3V3 | GND | PD14 | PD15 | PC7 | PC6 | PD12 | PD13 | PC9 | PC8 | PD10 | PD11 | PA11 | PA8 | PD8 | PD9 | PA15 | PA12 | PB14 | PB15 | PC11 | PC10 | PE15 | PB10 | PD0 | PC12 | PE13 | PE14 | PD2 | PD1 | PE11 | PE12 | PD4 | PD3 | PE9 | PE10 | PD6 | PD5 | PE7 | PE8 | PB8 | PD7 | PB1 | PB2 | PE0 | PB9 | PA6 | PB0 | PE2 | PE1 | PA4 | PA5 | PE4 | PE3 | PA0 | PA3 | PC0 | PC13 | KEY | CURR | VOLT | OFF | RST | ON | LED | UART | USB
BODY_CENTER: FIGURE | FINISHED_SIZE | 0.254 | 0.6 | 0.9 | 1.0 | 1.1 | 1.5 | 1.6 | 1.8 | 3.3 | 1.2x0.6 | 1.7x0.6 | DRILL CHART: TOP to BOTTOM | ALL UNITS ARE IN MILLIMETERS | PLATED | QTY | 277 | 10 | 12 | 4 | 80 | 2 | 3 | 398 | TOTAL HOLES:
